# KiCad board beaglebone-ai.kicad_pcb (continued)
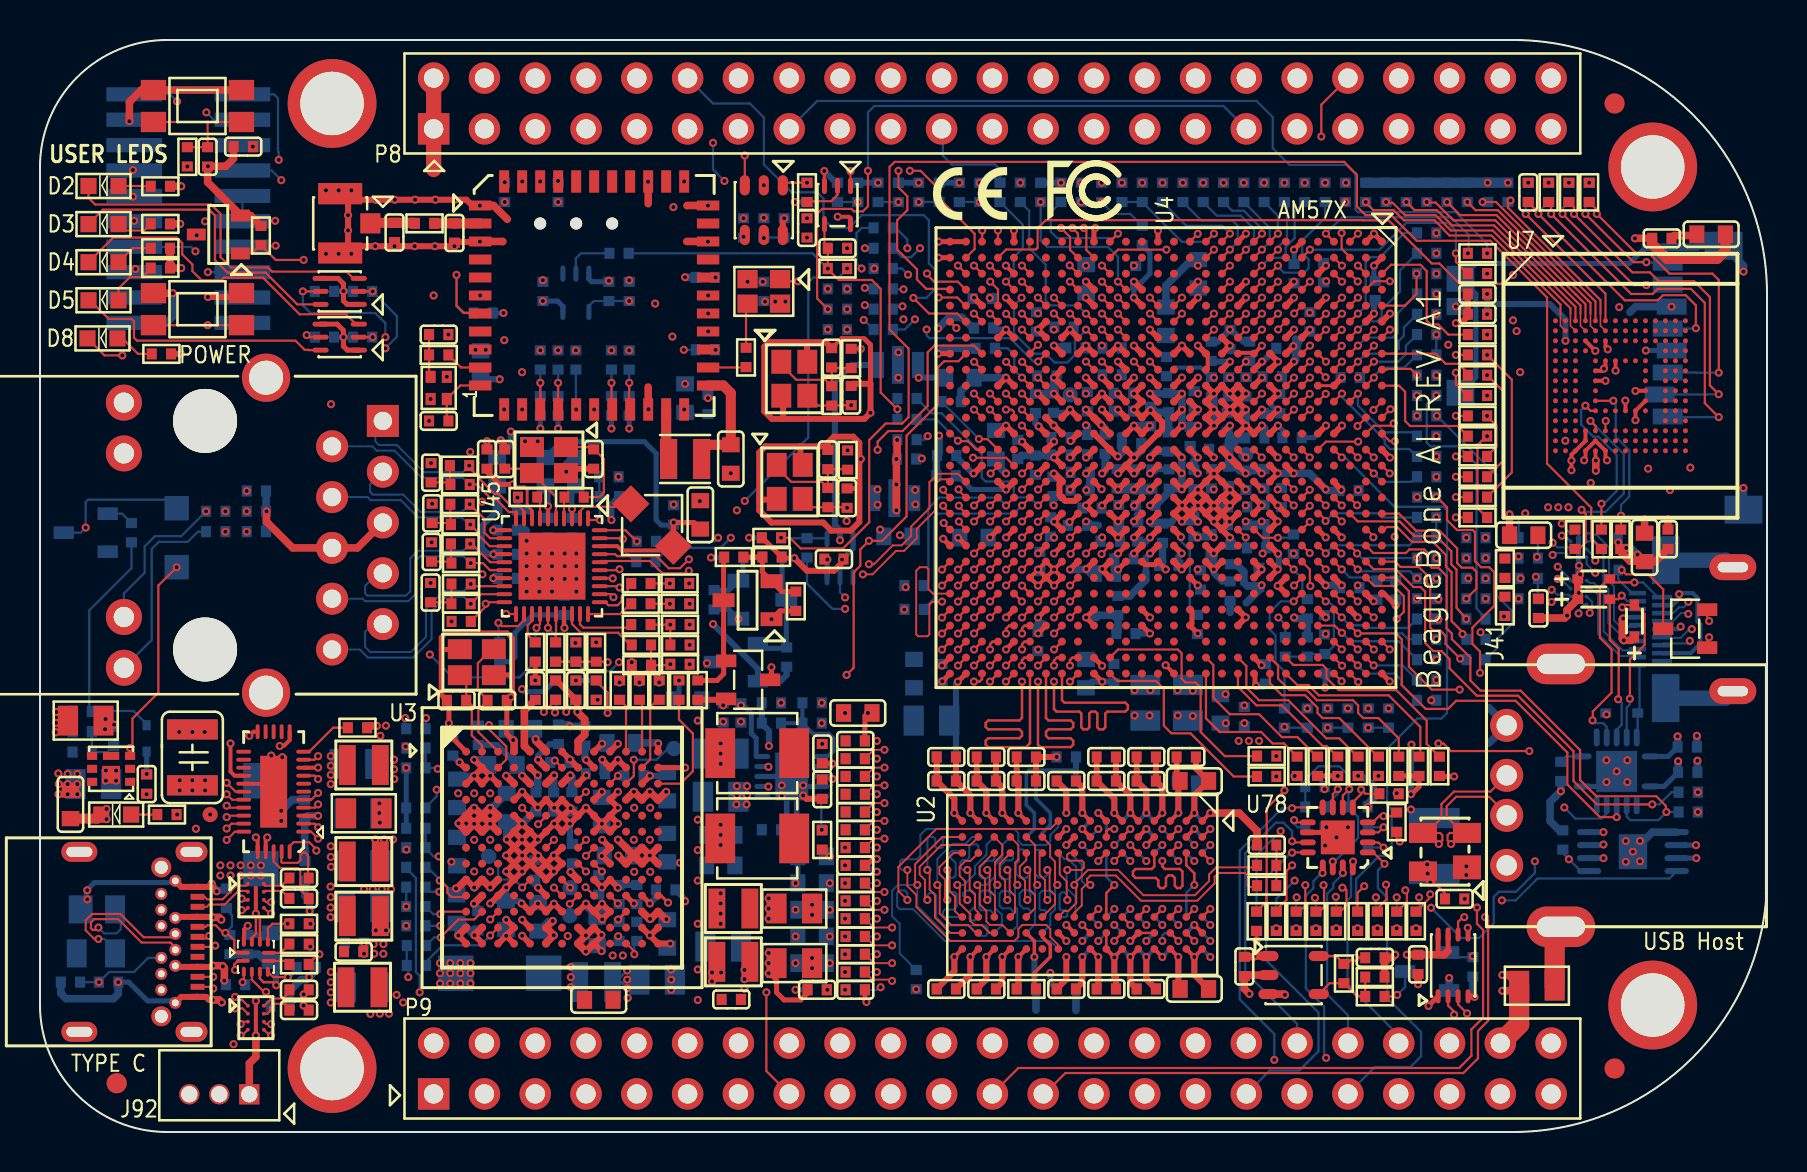
[diagram p0: board, top side]
## Routing (per net, layer and track width the routed paths; a pad name or vN(x,y) marks a point on that pad's centre or on a via; arc(x,y) is an arc through that point) (continued)
  BOTTOM w0.114: v1(8.32,50.99) 8.69,50.62 P2.3
JTAG_TDO: length 66.3
  TOP w0.114: U4.F19 v1(63.49,30.52)
  SIG_L8 w0.102: v1(12.06,47.6) 12.73,46.94 12.73,43.28 13.21,42.8 20.02,42.8 20.46,42.35 21.04,42.35 22.02,43.33 29.94,43.33 32.83,40.45 33.5,40.45 33.77,40.18 33.77,39.97 35.38,38.35 40.32,38.35 41.38,38.35 43.12,38.35 43.4,38.07 43.78,38.07 46.81,38.07 47.68,38.94 49.38,38.94 49.48,38.84 49.48,38.35 49.71,38.13 54.88,38.13 55.12,37.89 55.12,37.59 55.37,37.34 55.63,37.34 56.74,36.23 56.74,35.97 56.96,35.75 57.28,35.75 57.53,35.5 57.53,35.18 58.61,34.1 58.86,34.1 59.06,33.91 59.06,33.58 60.12,32.51 60.45,32.51 60.71,32.26 60.71,32 60.96,31.75 61.21,31.75 61.47,31.5 61.47,31.24 61.79,30.92 63.08,30.92 v1(63.49,30.52)
  BOTTOM w0.114: P2.7 11.58,48.08 v1(12.06,47.6)
JTAG_TMS: length 73.2
  TOP w0.114: U4.F18 v1(63.49,31.32)
  SIG_L8 w0.102: v1(63.49,31.32) 63.49,31.31 63.88,30.92 64.52,30.92 64.74,31.15 64.74,31.94 64.72,31.96 64.72,33.5 62.29,35.93 62.29,36.26 62.03,36.53 61.65,36.53 61.47,36.7 61.47,37.08 61.21,37.34 60.96,37.34 60.71,37.59 60.71,37.87 60.48,38.1 60.2,38.1 59.88,38.42 59.88,38.67 59.63,38.93 59.37,38.93 59.12,39.18 59.12,42.67 58.05,43.74 56.8,43.74 56.58,43.52 55.75,43.52 55.04,44.22 50.58,44.22 50.07,44.73 46.96,44.73 44.83,46.86 38.04,46.86 37.12,47.78 34.44,47.78 v1(34.23,47.56)
  SIG_L10 w0.102: v1(11.94,48.62) 12.14,48.62 12.32,48.44 32.63,48.44 v1(33.65,49.47)
  BOTTOM w0.114: v1(33.65,49.47) 33.65,48.13 v1(34.23,47.56) ; v1(11.94,48.62) 11.94,49 11.9,49.04 11.9,51.7 11.7,51.89 P2.1
JTAG_TRSTn: length 81.3
  TOP w0.114: U4.D20 65.07,28.95 v1(65.07,28.93)
  INT_L3 w0.102: v1(68.86,26.67) 68.48,26.67 66.64,28.51 65.53,28.51 65.11,28.93 v1(65.07,28.93)
  SIG_L8 w0.102: v1(65.07,28.93) 65.06,28.93 64.66,29.34 62.8,29.34 61.98,30.16 61.72,30.16 61.53,30.35 61.53,30.65 61.24,30.94 60.95,30.94 60.71,31.18 60.71,31.5 60.45,31.75 60.13,31.75 59.88,32 59.88,32.26 58.8,33.34 58.55,33.34 58.29,33.59 58.29,33.91 58.09,34.11 57.77,34.11 56.71,35.18 56.71,35.47 55.66,36.51 55.37,36.51 55.12,36.77 55.12,37.08 54.84,37.36 49.68,37.36 49.48,37.57 49.48,38 49.35,38.13 47.22,38.13 46.94,37.85 45.82,37.85 45.34,37.36 43.45,37.36 43.31,37.51 43.31,37.84 43.02,38.13 40.62,38.13 35.21,38.13 34.85,38.48 34.57,38.76 33.63,38.76 33.27,39.12 33.27,39.57 29.79,43.05 22.12,43.05 21.11,42.04 20.24,42.04 19.84,42.44 13.18,42.44 12.47,43.15 12.47,46.39 9.33,49.53 9.33,51.24 9.04,51.54 v1(6.86,51.54)
  BOTTOM w0.114: v1(6.86,51.54) 6.5,51.89 P2.2
MCASP2_ACLKX: length 55.3
  SIG_L5 w0.102: v1(72.03,24.99) 72.01,24.97 71.81,24.97 71.48,25.3 71.12,25.3 70.74,25.68 70.74,29.29 69.82,30.2 67.61,30.2 66.09,31.72 65.56,31.72 65.46,31.62 65.46,30.28 65.3,30.12 46.89,30.12 45.9,29.13 41.33,29.13 40.74,29.72 40.74,32.05 40.64,32.16 39.5,32.16 33.16,38.49 32.14,38.49 31.8,38.84 31.8,39.32 32.46,39.98 33.36,39.98 v1(33.41,40.03)
  BOTTOM w0.114: R608.2 72.29,24.74 v1(72.03,24.99)
MCASP2_AXR0: length 44
  SIG_L5 w0.102: v1(33.41,40.93) 34.16,40.18 34.16,38.77 40.01,32.92 40.96,32.92 41.38,32.51 41.38,31.18 41.82,30.73 43.84,30.73 44.83,31.72 57.3,31.72 57.34,31.69 60.07,31.69 60.13,31.75 63.75,31.75 63.91,31.9 63.91,32.54 64.69,33.32 67.79,33.32 68.35,32.77 v1(69.82,32.77)
MCASP2_AXR1: length 43.5
  TOP w0.114: U4.A15 v1(67.49,32.93)
  SIG_L5 w0.102: v1(32.19,39.12) 33.07,39.12 39.75,32.44 40.72,32.44 41.02,32.13 41.02,30.56 42.09,29.49 43.54,29.49 44.98,30.94 64.62,30.94 64.72,31.04 64.72,32.26 65,32.54 67.1,32.54 v1(67.49,32.93)
  BOTTOM w0.114: R610.2 v1(32.19,39.12)
MCASP2_FSX: length 50.7
  SIG_L5 w0.102: v1(33.41,41.83) 34.57,40.68 34.57,38.84 40.18,33.22 44.17,33.22 44.26,33.32 48.42,33.32 48.66,33.08 48.66,32.75 48.87,32.54 63.32,32.54 64.95,34.16 67.61,34.16 68.63,33.15 70.13,33.15 70.41,32.87 70.41,30.02 70.97,29.46 70.97,27.46 71.37,27.05 71.86,27.05 72.24,26.67 v1(72.29,26.67)
MDIO_CLK: length 98.6
  TOP w0.114: U4.V1 v1(53.9,44.93)
  SIG_L5 w0.102: v1(53.9,44.93) 53.9,46.49 53.47,46.93 35.81,46.93 35.62,47.12 22.99,47.12 22.33,47.78 14.25,47.78 13.21,46.74 13.21,44.5 11.94,43.23 11.94,39.8 12.98,38.76 15.16,38.76 16.26,37.67 16.26,25.1 16.9,24.45 23.46,24.45 24.6,25.59 27.01,25.59 28.22,26.8 28.22,28.5 28.74,29.02 29.96,29.02 30.66,29.72 v1(33.91,29.72)
  BOTTOM w0.114: v1(33.91,29.72) 33.73,29.54 R470.1 ; v1(53.9,44.93) 53.68,44.7 50.86,44.7 50.55,45.02 50.55,46 R24.1
MDIO_D: length 92.2
  TOP w0.114: U4.U4 v1(53.9,42.53)
  SIG_L5 w0.102: v1(50.04,46.51) 49.68,46.15 34.98,46.15 34.54,45.72 30.86,45.72 29.85,44.7 23.44,44.7 22.24,43.5 13.63,43.5 12.32,42.19 12.32,39.85 13.13,39.04 15.44,39.04 18.01,36.47 18.01,26.14 19.33,24.82 23.16,24.82 24.38,26.03 26.97,26.03 27.91,26.97 27.91,28.98 28.94,30.01 33.19,30.01 33.4,30.23 34.04,30.23 v1(34.54,29.72)
  BOTTOM w0.114: v1(50.04,46.51) 50.04,44.58 50.36,44.26 53.4,44.26 53.9,43.76 v1(53.9,42.53) ; R469.1 30.78,28.56 31.43,29.21 34.04,29.21 v1(34.54,29.72)
MII0_RESETn: length 16.8
  TOP w0.114: U45.1 27.49,30.61 v1(28,30.61)
  INT_L3 w0.102: v1(29.46,41.55) 28.96,41.05 28.96,34.42 28,33.46 v1(28,30.61)
  BOTTOM w0.114: R641.2 27.97,31.8 R455.2 27.99,30.62 v1(28,30.61) ; U90.4 27.45,41.31 27.69,41.55 C495.1 v1(29.46,41.55)
MII0A_1.1V: length 3.6
  TOP w0.152: U45.6 25.4,31.29 v1(25.4,31.29)
  TOP w0.203: U45.17 v1(22.67,27.7) ; U45.11 v1(22.66,30.1)
  BOTTOM w0.127: C351.1 v1(22.66,30.1)
  BOTTOM w0.254: FB3.2 25.4,32.18 25.4,31.32 ; v1(25.4,31.29) 25.4,31.32 ; 25.4,31.32 25.4,31.32 25.4,30.71 C348.1
  vias: v1(22.12,27.89)
MII0D_1.1V: length 17
  TOP w0.203: L15.1 31.67,29.27 31.48,29.08 29.08,29.08 28.87,29.3 U45.38
  TOP w0.254: C349.1 32.69,30.48 v1(31.69,30.48) 31.67,30.46 L15.1
  BOTTOM w0.254: FB3.1 26.06,34.52 30.23,34.52 30.81,33.93 30.81,30.61 31.06,30.35 31.66,30.35 C350.1 v1(31.69,30.48)
MII0D_2.5V: length 10.3
  TOP w0.152: U45.8 24.6,31.07 24.36,31.32 24.36,32.13 24.23,32.26 23.77,32.26 v1(23.65,32.38)
  TOP w0.203: U45.27 26.2,25.21 v1(26.23,25.21)
  TOP w0.254: C339.1 22.35,33.02 22.99,32.38 v1(23.65,32.38)
  BOTTOM w0.254: R483.2 23.52,23.52 23.75,23.75 23.75,24.97 24.64,25.86 C340.1 26.21,25.22 v1(26.23,25.21)
  vias: v1(9.27,31.04) v1(9.27,30.02) v1(10.34,30.02)
MMC1_CLK: length 59.2
  TOP w0.114: C473.1 74.42,46.48 74.93,45.97 v1(74.93,45.91) 79.25,41.59 80.9,41.59 81.15,41.85 82.3,41.85 82.8,41.34 v1(82.8,40.2)
  SIG_L5 w0.102: v1(82.8,40.2) 80.9,40.2 78.87,42.23 78.87,47.19 76.57,49.49 76.57,50.38 75.83,51.12 49.59,51.12 49,50.52 49,47.5 v1(49.02,47.47)
  BOTTOM w0.114: J90.5 82.79,40.18 v1(82.8,40.2) ; v1(74.93,45.91) 74.93,46 R421.2
MMC1_CMD: length 54.1
  TOP w0.114: R420.2 77.85,46.13 v1(77.85,45.91) 79.82,43.94 80.47,43.94 81.48,42.93 83.63,42.93 83.95,42.61 v1(83.95,37.97) ; U4.Y6 v1(51.5,40.93)
  SIG_L5 w0.102: v1(51.5,40.93) 51.09,40.51 50.55,40.51 50.29,40.77 50.29,43.62 50.8,44.13 54.17,44.13 54.74,44.7 54.74,48.13 55.75,49.15 75.56,49.15 76.81,47.9 76.81,46.95 v1(77.85,45.91)
  BOTTOM w0.114: J90.3 82.8,37.98 82.8,37.97 v1(83.95,37.97)
MMC1_DATA0: length 41.1
  TOP w0.114: U4.AA6 50.7,40.93 v1(50.7,40.93) ; v1(80.33,42.35) 79.69,42.35 v1(76.14,45.91)
  SIG_L5 w0.102: v1(50.7,40.93) 50.71,40.93 51.09,41.31 53.21,41.31 53.52,41.61 53.52,41.94 53.72,42.14 54.94,42.14 55.45,42.65 56.21,42.65 57.53,43.97 57.53,47.56 58.1,48.13 73.47,48.13 73.94,47.66 73.94,45.76 74.17,45.53 75.76,45.53 v1(76.14,45.91)
  BOTTOM w0.114: J90.7 80.35,42.38 v1(80.33,42.35) ; v1(76.14,45.91) 76.14,46.19 R422.2
MMC1_DATA1: length 39.2
  TOP w0.114: v1(77.28,45.91) 79.69,43.5 v1(80.33,43.5) ; U4.Y4 v1(51.5,42.53)
  SIG_L5 w0.102: v1(51.5,42.53) 51.39,42.53 51.05,42.86 51.05,43.5 51.37,43.81 54.31,43.81 55.5,45.01 55.5,47.88 56.51,48.89 74.68,48.89 75.79,47.78 75.79,47.4 v1(77.28,45.91)
  BOTTOM w0.114: J90.8 80.35,43.48 v1(80.33,43.5) ; R423.2 77.28,46.32 v1(77.28,45.91)
MMC1_DATA2: length 51.4
  TOP w0.114: U4.AA5 v1(50.7,41.73) ; R418.2 75.56,46.38 v1(75.56,45.91) 79.57,41.91 80.64,41.91 80.9,42.16 82.55,42.16 83.25,41.47 83.25,36.45 v1(83.95,35.75)
  SIG_L5 w0.102: v1(50.7,41.73) 51.08,42.1 53.24,42.1 53.49,42.35 53.49,42.72 53.7,42.93 55.91,42.93 56.77,43.79 56.77,47.82 57.34,48.39 74.17,48.39 74.8,47.75 74.8,46.67 v1(75.56,45.91)
  BOTTOM w0.114: J90.1 81.42,35.75 v1(83.95,35.75)
MMC1_DATA3: length 48.9
  TOP w0.114: U4.Y3 v1(51.49,43.34) ; R419.2 76.71,46.25 v1(76.71,45.91) 79.63,42.99 80.51,42.99 80.95,42.54 82.72,42.54 83.5,41.76 83.5,37.34 v1(83.95,36.89)
  SIG_L5 w0.102: v1(51.49,43.34) 51.93,42.9 53.29,42.9 53.98,43.59 54.41,43.59 55.14,44.32 55.75,44.32 56.51,45.08 56.51,48.01 57.15,48.64 74.36,48.64 75.08,47.92 75.08,47.16 75.43,46.81 75.81,46.81 v1(76.71,45.91)
  BOTTOM w0.114: v1(83.95,36.89) 83.31,36.89 83.31,36.88 J90.2
MMC1_SDCD: length 44.5
  TOP w0.114: U4.W7 v1(52.3,40.13)
  SIG_L5 w0.102: v1(70.8,41.28) J90.9 71.25,40.87 71.25,38.74 70.99,38.48 70.15,38.48 69.75,38.89 69.06,38.89 68.49,39.46 67.22,39.46 66.97,39.71 64.42,39.71 63.65,38.94 58.93,38.94 57.91,39.95 57.91,40.97 57.56,41.33 55.25,41.33 54.97,41.05 54.97,40.64 54.05,39.73 52.67,39.73 52.57,39.82 52.57,39.86 v1(52.3,40.13)
  SIG_L8 w0.102: v1(49.09,41.72) 48.69,42.11 46,42.11 44.58,43.54 40.18,43.54 39.85,43.21 39.85,42.58 39.43,42.16 v1(39.4,42.16)
  BOTTOM w0.081: J90.9 v1(70.8,41.28)
  BOTTOM w0.114: v1(52.3,40.13) 52.3,40.1 51.75,39.54 51.75,38.86 51.37,38.48 50.74,38.48 50.29,38.93 49.72,38.93 48.7,39.94 48.7,41.34 v1(49.09,41.72)
MMC4_CLK: length 49.8
  SIG_L8 w0.102: v1(69.82,23.62) 68.05,21.84 63.68,21.84 62.53,22.99 60.9,22.99 55.12,28.77 55.12,29.08 54.86,29.34 54.55,29.34 54.29,29.59 54.29,29.91 54.08,30.12 52.17,30.12 51.94,30.35 51.94,30.67 50.86,31.75 49.71,31.75 49.5,31.95 49.5,32.28 49.25,32.54 47.29,32.54 47.14,32.69 47.14,33.05 46.89,33.3 46.2,33.3 45.14,34.37 43.41,34.37 43.28,34.24 42.72,34.24 41.81,35.15 40.61,35.15 40.23,35.53 40.01,35.75 29.97,35.75 29.59,36.13 v1(27.71,36.13)
MMC4_CMD: length 52.5
  SIG_L8 w0.102: v1(26.81,36.13) 26.81,36.12 27.24,35.69 29.46,35.69 29.65,35.5 39.94,35.5 40.13,35.31 40.51,34.93 41.71,34.93 42.62,34.01 43.38,34.01 43.51,34.14 44.96,34.14 47.12,31.98 47.9,31.98 48.16,31.72 49.33,31.72 49.48,31.57 49.48,31.22 49.76,30.94 50.9,30.94 51.1,30.73 51.1,30.25 51.26,30.1 51.74,30.1 52.5,29.34 54.1,29.34 54.29,29.15 54.29,28.83 54.61,28.51 54.86,28.51 59.97,23.41 59.97,22.22 60.6,21.59 v1(69.57,21.59)
  BOTTOM w0.114: R563.2 26.8,36.54 26.81,36.52 v1(26.81,36.13) ; R581.1 v1(69.57,21.59)
MMC4_DATA0: length 49.2
  TOP w0.114: v1(65.09,22.54) 65.08,22.54 64.7,22.92 U4.D28
  SIG_L8 w0.102: v1(65.09,22.54) 64.19,23.44 61.49,23.44 61.04,23.9 60.81,23.9 56.71,28 56.71,28.28 56.44,28.55 56.16,28.55 55.88,28.83 55.88,29.08 55.63,29.34 55.37,29.34 55.12,29.59 55.12,29.91 54.88,30.15 54.56,30.15 54.29,30.42 54.29,30.67 54.04,30.92 52.13,30.92 50.83,32.23 50.32,32.23 50.06,32.49 49.68,32.49 49.5,32.66 49.5,33.17 49.33,33.35 47.32,33.35 47.09,33.58 47.09,33.81 46.79,34.11 45.75,34.11 45.47,34.39 45.47,34.95 45.14,35.28 43.79,35.28 43.56,35.05 42.34,35.05 42.01,35.38 40.7,35.38 40.08,36 33.27,36 32.57,36.7 27.75,36.7 27.62,36.83 27.62,38.13 27.72,38.23 27.89,38.23 27.99,38.33 27.99,38.53 27.89,38.63 27.72,38.63 27.62,38.74 27.62,38.96 27.75,39.09 v1(28.57,39.09)
MMC4_DATA1: length 49
  TOP w0.114: U4.D26 v1(65.09,24.13)
  SIG_L8 w0.102: v1(65.09,24.13) 65.04,24.19 61.53,24.19 61.26,24.46 60.93,24.46 58.79,26.6 58.79,27.5 58.32,27.97 58.32,28.73 57.51,29.55 57.51,29.87 57.21,30.16 56.96,30.16 56.71,30.42 56.71,30.54 56.32,30.92 55.37,30.92 55.12,31.18 55.12,31.5 54.86,31.75 54.55,31.75 54.29,32 54.29,32.26 54.04,32.51 52.93,32.51 52.73,32.72 52.73,33.2 52.6,33.32 50.5,33.32 49.99,33.83 48.62,33.83 47.19,35.26 46.2,35.26 45.67,35.79 43.54,35.79 43.28,35.53 42.54,35.53 42.06,36.01 42.06,36.26 41.62,36.7 40.03,36.7 34.58,36.7 34.07,37.21 33.05,37.21 32.46,37.8 31.32,37.8 31.22,37.9 31.22,38.25 31.12,38.35 30.91,38.35 30.81,38.25 30.81,37.85 30.71,37.74 30.51,37.74 30.4,37.85 30.4,39.16 30.28,39.28 30.12,39.28 30,39.16 30,37.87 29.9,37.77 29.67,37.77 29.46,37.97 v1(29.46,39.09)
MMC4_DATA2: length 51
  TOP w0.114: v1(65.11,23.32) U4.D27
  SIG_L8 w0.102: v1(65.11,23.32) 64.68,23.75 61.6,23.75 61.16,24.18 60.88,24.18 58.37,26.7 58.37,27.42 58.04,27.75 57.72,27.75 57.51,27.97 57.51,28.28 57.21,28.57 56.9,28.57 56.71,28.77 56.71,29.15 55.69,30.16 55.31,30.16 55.12,30.35 55.12,30.67 54.83,30.96 54.51,30.96 54.32,31.15 54.32,31.46 54.09,31.7 52.86,31.7 52.7,31.85 52.7,32.26 52.45,32.51 50.47,32.51 50.27,32.72 50.27,33.22 49.89,33.6 48.51,33.6 47.09,35.03 46.1,35.03 45.59,35.53 43.66,35.53 43.41,35.28 42.47,35.28 42.14,35.61 40.8,35.61 40.15,36.26 33.34,36.26 32.64,36.96 29.4,36.96 28.96,37.4 28.96,39.37 28.78,39.54 27.8,39.54 26.96,38.71 25.4,38.71 v1(25.02,39.09)
MMC4_DATA3: length 51.5
  TOP w0.114: U4.C28 v1(65.92,22.51)
  SIG_L8 w0.102: v1(65.92,22.51) 66.25,22.84 66.25,24.28 66.02,24.52 62.12,24.52 59.18,27.46 59.18,28.96 58.8,29.34 58.55,29.34 58.29,29.59 58.29,29.9 58.04,30.15 57.73,30.15 57.53,30.35 57.53,30.61 57.21,30.92 56.96,30.92 56.32,31.56 55.82,31.56 55.63,31.75 55.37,31.75 55.12,32 55.12,32.26 54.86,32.51 54.58,32.51 54.31,32.79 54.31,33.17 54.15,33.32 53.35,33.32 52.51,34.16 48.62,34.16 47.29,35.48 46.41,35.48 45.82,36.07 43.41,36.07 43.13,35.79 42.73,35.79 42.52,36 42.52,36.13 41.71,36.93 40.12,36.93 34.67,36.93 34.14,37.46 33.15,37.46 32.54,38.07 31.97,38.07 30.23,39.81 26.61,39.81 25.91,39.12 v1(25.91,39.09)
PMIC_INT: length 91.6
  TOP w0.114: U4.F21 63.5,28.13 63.5,27.33 v1(63.53,27.31)
  SIG_L8 w0.102: v1(18.99,6.99) 20.28,5.69 35.51,5.69 36.09,5.11 36.09,3.89 36.37,3.61 50.98,3.61 51.46,4.09 51.46,5.16 51.99,5.69 65.91,5.69 66.7,6.48 66.7,9.25 67.36,9.91 67.36,11.79 67.69,12.12 67.69,13.87 67.56,14 67.56,14.88 67.79,15.11 68.66,15.11 69.75,16.21 69.75,18.29 70.79,19.33 70.79,21.21 71.37,21.79 71.37,23.19 71.65,23.47 71.65,24.18 71.37,24.46 71.07,24.46 70.76,24.76 70.76,25.37 70.61,25.53 70.61,25.91 70.26,26.26 69.65,26.26 69.47,26.44 69.47,27.13 69.24,27.36 69.24,27.97 69.14,28.07 68.68,28.07 67.56,26.95 63.88,26.95 v1(63.53,27.31)
  BOTTOM w0.114: R152.2 18.31,13.18 18.8,12.7 18.8,8 18.99,7.81 v1(18.99,6.99)
PMIC_RSTOUTn: length 74.3
  TOP w0.114: U6.1 v1(40.53,48.05)
  TOP w0.12: U3.G6 v1(25.7,14.61)
  INT_L3 w0.102: v1(25.7,14.61) 26.11,15.03 26.11,20.62 v1(25.76,20.98)
  SIG_L5 w0.102: v1(25.76,20.98) 25.25,21.49 24.84,21.49 24.59,21.23 23.04,21.23 22.12,22.15 22.12,22.16 18.68,22.16 15.93,24.92 15.93,37.44 14.88,38.48 12.85,38.48 11.62,39.71 11.62,43.32 12.83,44.53 12.83,46.99 13.84,48.01 31.14,48.01 31.57,48.44 40.14,48.44 v1(40.53,48.05)
  BOTTOM w0.114: v1(25.76,20.98) 25.81,21.03 25.81,21.59 R124.1
PWR_BUT: length 69.6
  TOP w0.114: S3.4 v1(8.38,40.35) S3.2
  SIG_L5 w0.102: v1(27.89,21.62) 32.99,21.62 33.68,20.93 34.42,20.93 34.67,20.68 34.67,18.72 35.97,17.42 35.97,16.41 34.62,15.06 34.62,6.17 34.16,5.71 29.11,5.71 28.55,5.16 28.55,3.18 29.82,1.9 P9.9
  SIG_L8 w0.102: v1(8.38,40.35) 8.38,38.61 10.99,36 10.99,32.73 13.3,30.42 15.05,30.42 16.45,29.02 19.37,29.02 21.39,27 23.14,27 24,26.14 26.29,26.14 27.24,25.18 27.24,21.83 27.46,21.62 v1(27.89,21.62)
R6_GPIO7_3: length 58.7
  TOP w0.114: v1(74.47,19.05) 70.56,19.05 70.18,19.43 v1(69.93,19.43) ; U4.R6 v1(55.5,40.93) ; R634.1 63.97,11.02 64.21,11.26 64.21,12.32 v1(64.19,12.34)
  SIG_L5 w0.102: v1(55.5,40.93) 56.08,40.93 57.51,39.5 57.51,38.96 57.79,38.68 58.47,38.68 59,38.15 63.8,38.15 63.88,38.23 63.88,38.81 64.08,39.01 64.49,39.01 64.69,38.81 64.69,37.52 64.9,37.31 67.79,37.31 68.76,36.35 69.06,36.35 69.32,36.09 69.32,35.64 69.57,35.38 71.12,35.38 72.52,33.99 72.52,30.91 73.3,30.12 73.3,28.3 73.66,27.94 73.66,27.41 73.94,27.13 74.09,27.13 74.3,26.92 74.3,25.35 72.85,23.9 72.85,22.5 74.47,20.88 v1(74.47,19.05) ; v1(64.19,12.34) 63.6,12.93 63.6,17.45 65.02,18.87 69.39,18.87 69.93,19.41 v1(69.93,19.43)
RGMII0_RXC: length 59.1
  TOP w0.114: R466.1 v1(31.5,27.43) ; U4.U5 v1(53.9,41.73)
  SIG_L10 w0.102: v1(53.9,41.73) 53.54,42.09 53.54,43.71 52.67,44.58 51.11,44.58 50.6,45.08 49.3,45.08 48.94,45.45 45.92,45.45 45.78,45.58 43.04,45.58 42.8,45.34 39.47,45.34 38.27,44.14 38.27,42.27 37.9,41.9 37.9,41.26 37.46,40.83 36.53,40.83 32.53,36.83 32.26,36.83 31.81,36.39 31.81,35.56 29.4,33.15 29.4,32.64 27.5,30.73 27.5,26.54 27.11,26.16 25.02,26.16 24.89,26.03 24.89,25.72 25.02,25.59 25.65,25.59 25.78,25.46 25.78,24.07 26.54,23.3 27.31,23.3 27.5,23.11 30.67,23.11 31.12,23.56 31.12,25.65 31.5,26.03 31.69,26.03 32,26.35 32,26.92 v1(31.5,27.43)
RGMII0_RXCTL: length 57.2
  TOP w0.114: R464.1 v1(31.5,26.42) ; U4.V5 v1(53.1,41.73)
  SIG_L10 w0.102: v1(53.1,41.73) 53.1,41.94 52.69,42.36 52.69,42.65 52.41,42.92 52.14,42.92 51.92,43.14 51.92,43.48 51.57,43.83 50.53,43.83 50.22,44.14 45.95,44.14 45.21,44.88 43.55,44.88 43.24,44.58 42.93,44.58 42.8,44.45 42.8,43.23 42.69,43.12 42.53,43.12 42.42,43.23 42.42,44.45 42.29,44.58 42.16,44.58 42.04,44.45 42.04,43.69 41.91,43.56 41.78,43.56 41.66,43.69 41.66,44.45 41.53,44.58 39.94,44.58 38.99,43.62 38.99,42.02 38.58,41.62 38.58,40.49 30.21,32.12 30.21,30.48 30.09,30.35 29.59,30.35 29.46,30.23 29.46,30.04 29.59,29.91 30.09,29.91 30.21,29.78 30.21,29.27 30.09,29.15 29.15,29.15 29.02,29.02 29.02,28.7 28.89,28.57 28.77,28.57 28.64,28.7 28.64,29.02 28.51,29.15 28.38,29.15 28.26,29.02 28.26,26.54 28.45,26.35 29.78,26.35 29.91,26.48 29.91,27.13 30.02,27.24 30.18,27.24 30.29,27.13 30.29,26.48 30.42,26.35 30.54,26.35 30.67,26.48 30.67,27.89 31.54,28.77 31.7,28.77 31.81,28.65 31.81,27.94 31.69,27.81 31.18,27.81 31.05,27.69 31.05,26.48 31.18,26.35 31.43,26.35 v1(31.5,26.42)
RGMII0_RXD0: length 58.6
  TOP w0.114: R486.1 v1(31.52,25.37) R458.1 ; U4.W2 52.32,44.1 52.32,45.08 v1(52.2,45.21)
  SIG_L10 w0.102: v1(31.52,25.37) 31.94,24.96 31.94,23.18 31.5,22.73 31.5,22.42 31.05,21.97 26.86,21.97 23.88,24.96 23.88,29.72 24.23,30.07 24.87,30.07 26.42,31.62 26.92,31.62 31.18,35.88 31.18,37.02 36.19,42.04 36.5,42.04 37.72,43.26 37.72,45.72 38.35,46.35 40.39,46.35 40.7,46.04 46.01,46.04 46.15,45.9 49.32,45.9 49.38,45.85 50.86,45.85 51.12,45.59 51.82,45.59 v1(52.2,45.21)
RGMII0_RXD1: length 55.7
  TOP w0.114: R459.1 R489.2 31.47,23.34 v1(31.52,23.39) ; U4.Y2 51.9,43.73 51.51,44.11 51.51,44.76 v1(51.05,45.21)
  SIG_L10 w0.102: v1(31.52,23.39) 30.99,22.86 28.68,22.86 28.58,22.76 28.58,22.39 28.47,22.29 28.27,22.29 28.17,22.39 28.17,22.76 28.07,22.86 27.87,22.86 27.76,22.76 27.76,22.39 27.66,22.29 27.46,22.29 27.36,22.39 27.36,22.74 27.05,23.05 26.29,23.05 24.26,25.08 24.26,26.23 24.61,26.57 26.96,26.57 27.25,26.87 27.25,31.59 31.43,35.77 31.43,36.39 32.11,37.06 32.43,37.06 36.44,41.07 37.32,41.07 37.63,41.38 37.63,41.91 37.53,42.01 37.53,42.67 37.97,43.11 37.97,44.96 38.23,45.21 38.64,45.21 39.55,46.12 40.17,46.12 40.49,45.81 45.89,45.81 46.02,45.67 49.07,45.67 49.28,45.47 50.8,45.47 v1(51.05,45.21)
RGMII0_RXD2: length 56.2
  TOP w0.114: v1(28.38,23.5) 28.36,23.52 R490.2 R485.1 R460.1 ; U4.V3 v1(53.1,43.33)
  SIG_L10 w0.102: v1(28.38,23.5) 28.64,23.75 28.64,25.59 28.51,25.72 28.32,25.72 28.19,25.59 28.19,24.13 28.07,24 27.91,24 27.81,23.9 27.81,23.68 27.69,23.56 27.52,23.56 27.4,23.68 27.4,23.9 27.3,24 27.09,24 26.99,23.9 26.99,23.68 26.87,23.56 26.71,23.56 26.59,23.68 26.59,23.9 26.49,24 26.23,24 26.04,24.19 26.04,24.7 26.16,24.83 26.48,24.83 26.61,24.96 26.61,25.78 26.73,25.91 26.86,25.91 26.99,25.78 26.99,24.96 27.11,24.83 27.62,24.83 27.75,24.96 27.75,25.15 27.62,25.27 27.37,25.27 27.24,25.4 27.24,25.59 27.37,25.72 27.62,25.72 27.75,25.84 27.75,29.27 29.72,31.24 29.72,32.89 33.02,36.19 33.02,37 36.58,40.56 37.64,40.56 38.13,41.05 38.13,41.81 38.49,42.18 38.49,44.04 39.54,45.08 42.93,45.08 43.19,45.35 45.41,45.35 46.16,44.6 50.65,44.6 50.93,44.32 52.37,44.32 53.1,43.59 v1(53.1,43.33)
RGMII0_RXD3: length 56.6
  TOP w0.114: U4.V4 v1(53.1,42.53)
  SIG_L10 w0.102: v1(53.1,42.53) 53.1,42.68 52.68,43.11 52.68,43.53 52.12,44.08 50.72,44.08 50.44,44.37 46.07,44.37 45.32,45.12 43.35,45.12 43.05,44.83 39.81,44.83 38.72,43.74 38.72,42.08 38.35,41.71 38.35,40.64 29.97,32.26 29.97,31.12 28,29.15 28,26.23 28.13,26.1 30.67,26.1 30.8,25.97 30.8,25.78 30.67,25.65 29.02,25.65 28.89,25.53 28.89,25.34 29.02,25.21 30.67,25.21 30.8,25.08 30.8,24.89 30.67,24.76 29.02,24.76 28.89,24.64 28.89,24.43 28.99,24.33 30.7,24.33 30.8,24.23 30.8,24 30.67,23.88 29.08,23.88 28.96,23.75 v1(28.96,23.5)
  BOTTOM w0.114: v1(28.96,23.5) 28.51,23.05 27.27,23.05 R481.1 R462.1
RGMII0_TXC: length 23.9
  TOP w0.114: U45.33 28.89,27.3 28.96,27.23 28.96,27.23 v1(28.98,27.23)
  SIG_L10 w0.102: v1(28.98,27.23) 29.26,27.23 30.9,28.87 30.9,31.66 38.86,39.62 39.43,39.62 39.78,39.97 39.78,41.11 40.2,41.53 40.44,41.53 40.69,41.78 41.4,41.78 41.66,41.53 41.66,41.15 41.19,40.68 v1(41.19,40.61)
  BOTTOM w0.114: R97.2 41.21,40.61 v1(41.19,40.61)
RGMII0_TXCTL: length 23.2
  TOP w0.114: U45.32 28.54,26.9 28.63,26.81 28.63,26.8 v1(28.68,26.75)
  SIG_L10 w0.102: v1(28.68,26.75) 28.69,26.73 29.15,26.73 31.13,28.71 31.13,29.21 31.25,29.34 31.69,29.34 31.81,29.46 31.81,29.72 31.69,29.84 31.25,29.84 31.13,29.97 31.13,31.51 38.99,39.37 39.75,39.37 40,39.62 40,40.58 40.22,40.79 40.67,40.79 41.22,41.35 v1(41.25,41.35)
  BOTTOM w0.114: v1(41.25,41.35) 41.48,41.35 R96.2
RGMII0_TXD0: length 25
  TOP w0.114: U45.34 28,27.69 v1(28.64,27.69)
  SIG_L10 w0.102: v1(28.64,27.69) 29.34,27.69 30.67,29.02 30.67,31.81 39.04,40.18 39.04,41.39 39.18,41.53 39.69,41.53 40,41.85 40,42.35 40.26,42.61 40.51,42.61 v1(41.08,43.18)
  BOTTOM w0.114: v1(41.08,43.18) 40.83,43.43 40.83,44.96 41.08,45.21 R92.2
RGMII0_TXD1: length 23.6
  TOP w0.114: v1(28.98,28.14) 28.93,28.09 28,28.09 U45.35
  SIG_L10 w0.102: v1(41.25,44.2) 41.21,44.2 40.83,43.81 39.94,43.81 39.75,43.62 39.75,41.97 39.56,41.78 39.11,41.78 38.81,41.48 38.81,40.34 30.44,31.97 30.44,29.17 29.41,28.14 v1(28.98,28.14)
  BOTTOM w0.114: R93.2 v1(41.25,44.2)
RGMII0_TXD2: length 25
  TOP w0.114: v1(32.45,28.07) 32.32,27.94 31.12,27.94 30.5,28.56 28.06,28.56 U45.36
  SIG_L10 w0.102: v1(32.45,28.07) 32.83,28.45 32.83,28.83 32.58,29.08 32.58,32.12 39.19,38.74 39.88,38.74 41.02,39.88 41.47,39.88 42.16,40.58 42.16,42.74 v1(41.72,43.18)
  BOTTOM w0.114: R94.2 v1(41.72,43.18)
RGMII0_TXD3: length 24.2
  TOP w0.114: U45.37 28.76,28.9 28.86,28.8 30.83,28.8 31.44,28.19 32,28.19 v1(32.45,28.64)
  SIG_L10 w0.102: v1(32.45,28.64) 32.19,28.89 32.19,32.07 39.12,38.99 39.75,38.99 40.89,40.13 41.34,40.13 41.91,40.7 41.91,41.97 41.67,42.21 v1(41.25,42.21)
  BOTTOM w0.114: R95.2 41.63,42.21 v1(41.25,42.21)
RGMII_RST: length 37.4
  TOP w0.114: U4.N1 v1(57.89,44.92)
  INT_L3 w0.102: v1(57.89,44.92) 57.56,44.58 54.74,44.58 54.26,44.1 54.26,40.77 54.05,40.56 51.24,40.56 51.06,40.39 51.06,39.98 50.83,39.75 50.55,39.75 50.29,39.5 50.29,39.21 50.06,38.98 48.34,38.98 47.88,39.44 47.88,41.96 47.73,42.11 47.17,42.11 46.76,42.52 42.29,42.52 42.24,42.57 39.22,42.57 38.38,43.41 30.28,43.41 v1(29.46,42.6)
RST_PMIC_L: length 74.6
  SIG_L8 w0.102: v1(62.23,20.26) 63.25,19.24 63.25,13.47 62.76,12.98 62.43,12.98 62.23,12.78 62.23,7.75 60.71,6.22 51.41,6.22 50.93,5.74 36.75,5.74 36.3,6.2 31.32,6.2 30.92,6.59 30.92,14.73 30.65,15.01 19.51,15.01 17.21,17.31 17.21,19.13 18.26,20.18 v1(18.26,20.7)
  BOTTOM w0.114: R58.2 R57.2 v1(62.23,20.26) ; R159.1 18.24,20.17 18.24,20.7 v1(18.26,20.7)
STATUS_LED0: length 53.4
  TOP w0.114: U4.J11 v1(61.1,36.93) ; v1(16.64,42.04) T2.2
  SIG_L5 w0.102: v1(17.27,39.19) 19.13,41.05 22.58,41.05 23.47,41.94 32.72,41.94 32.99,42.21 33.65,42.21 36.25,39.62 41.47,39.62 41.72,39.37 46.48,39.37 46.93,38.93 54.06,38.93 54.31,39.17 54.31,39.52 54.51,39.73 56.06,39.73 57.66,38.13 58.09,38.13 58.29,37.92 58.29,37.57 58.55,37.31 60.93,37.31 61.1,37.14 v1(61.1,36.93)
  BOTTOM w0.114: v1(17.27,39.19) 17.84,39.76 17.84,40.81 R390.1 v1(16.64,42.04)
SYS_RESETn1: length 2.5
  BOTTOM w0.114: U90.2 26.8,43.69 27.05,43.94 R680.2
SYS_RESETn2: length 32.5
  SIG_L5 w0.102: v1(40.26,26.16) 40.03,26.16 38.33,24.46 38.33,18.31 37.64,17.63 37.64,16.66 37.13,16.15 36.09,16.15 34.87,14.94 34.87,6.02 34.26,5.41 30.81,5.41 P9.10
  BOTTOM w0.114: R55.2 38.35,27.43 39.62,26.16 v1(40.26,26.16)
T9_GPIO_4: length 52.6
  TOP w0.114: U4.T9 v1(54.7,38.53)
  SIG_L5 w0.102: v1(62.84,11.73) 63.22,11.73 63.65,12.17 63.65,12.55 63.37,12.83 63.37,17.6 65.81,20.04 65.81,21.62 65.48,21.95 65.48,24.28 65.76,24.56 67.92,24.56 68.43,24.05 70.23,24.05 70.69,24.51 72.11,24.51 72.47,24.87 72.47,26.09 72.75,26.37 72.75,26.92 72.52,27.15 72.24,27.15 71.86,27.53 71.86,28.07 71.7,28.22 71.7,30.1 71.3,30.51 71.3,33.07 70.99,33.38 69.24,33.38 68.15,34.47 68.15,34.8 68.05,34.9 58.57,34.9 58.34,35.13 58.34,36.3 58.09,36.55 56.51,36.55 55.88,37.19 55.88,37.97 55.7,38.15 55.08,38.15 v1(54.7,38.53)
  BOTTOM w0.114: v1(62.84,11.73) 62.81,11.71 R638.1
TypeC_VBUS: length 8.7
  TOP w0.305: 7.88,8.26 6.82,8.26 J42.B4 ; 7.88,8.26 8.59,8.26 v1(8.65,8.32) ; 7.88,8.26 J42.A9 ; 7.87,10.76 J42.A4 ; 7.87,10.76 8.61,10.76 v1(8.64,10.73) ; 7.87,10.76 6.81,10.76 J42.B9
  TOP w0.381: v1(8.64,10.73) 8.95,10.73 v1(9.07,10.62) ; v1(8.65,8.32) 9.11,8.32 v1(9.14,8.28) 9.22,8.2 v1(9.22,7.57)
  SIG_L8 w0.508: 7.54,10.71 6.77,10.71 J42.B9 6.77,11.47 ; 7.48,8.31 6.77,8.31 6.77,7.55
  BOTTOM w0.127: R555.1 v1(1.87,17.4)
  vias: v1(0.91,17.93) v1(0.94,17.4) v1(0.93,16.89) v1(1.38,17.91) v1(1.38,17.4) v1(1.38,16.89) v1(1.87,17.91) v1(1.87,16.89)
